# KiCad board toby-hackpad.kicad_pcb
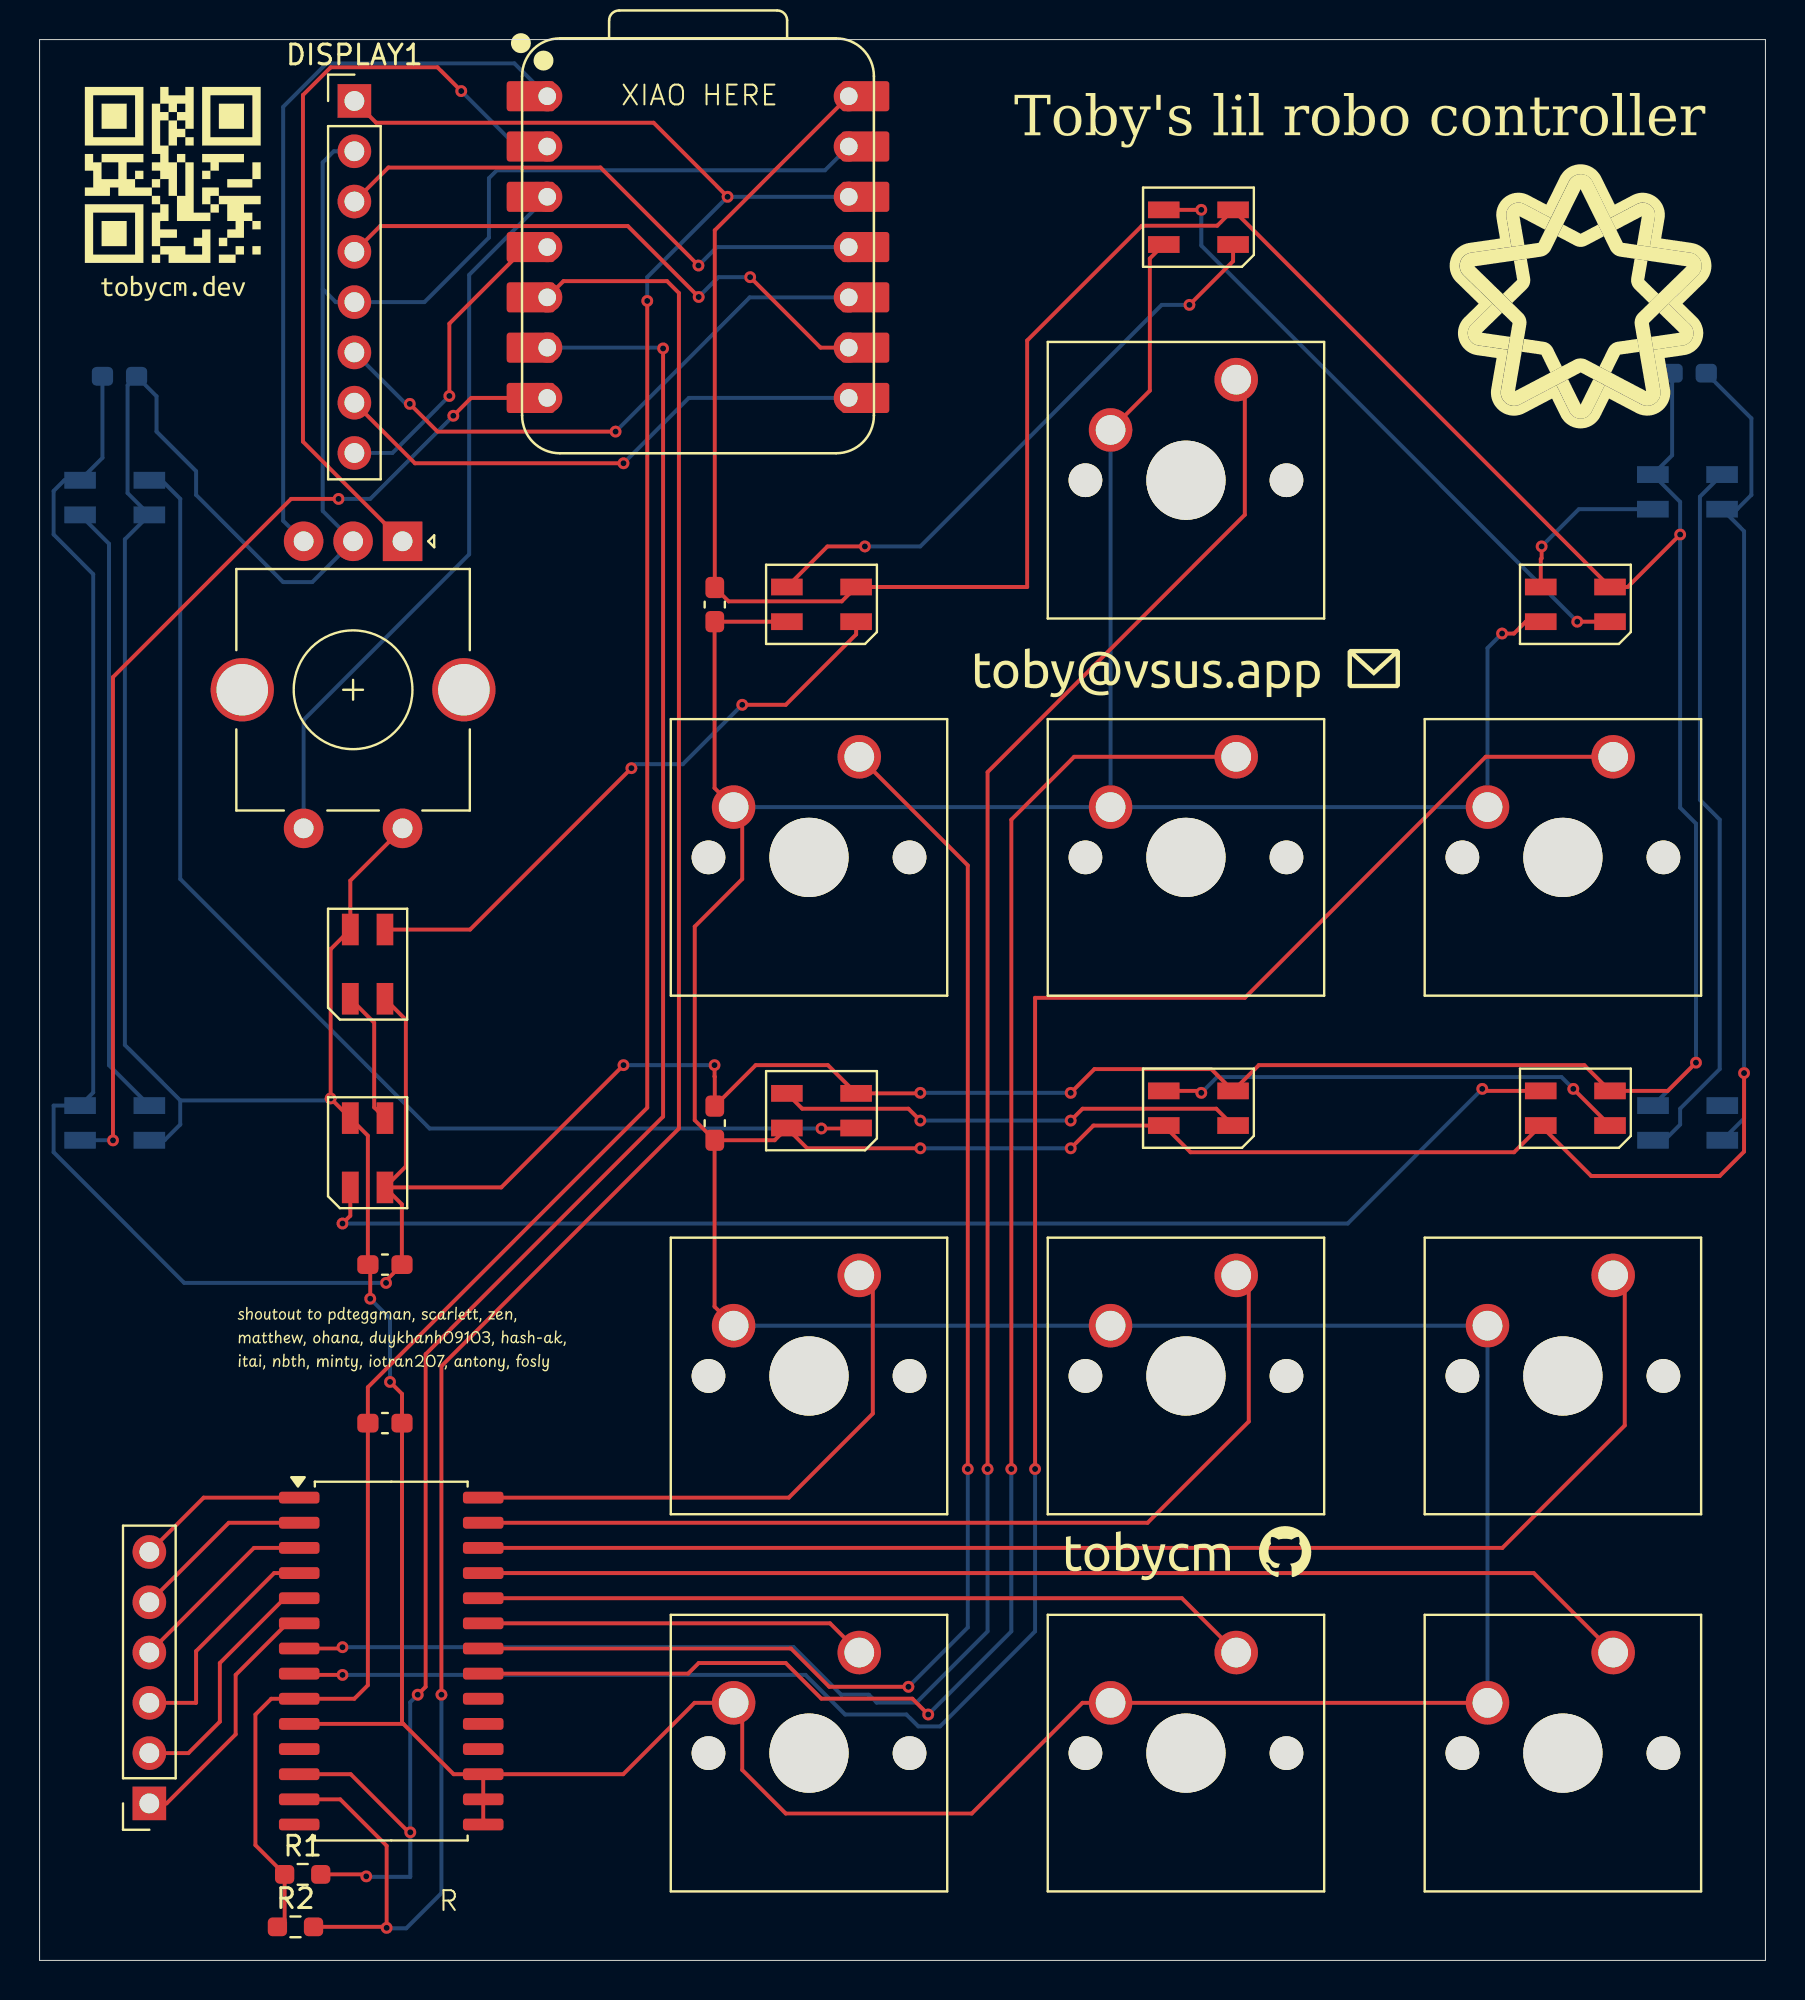
[diagram p0: board, top side]
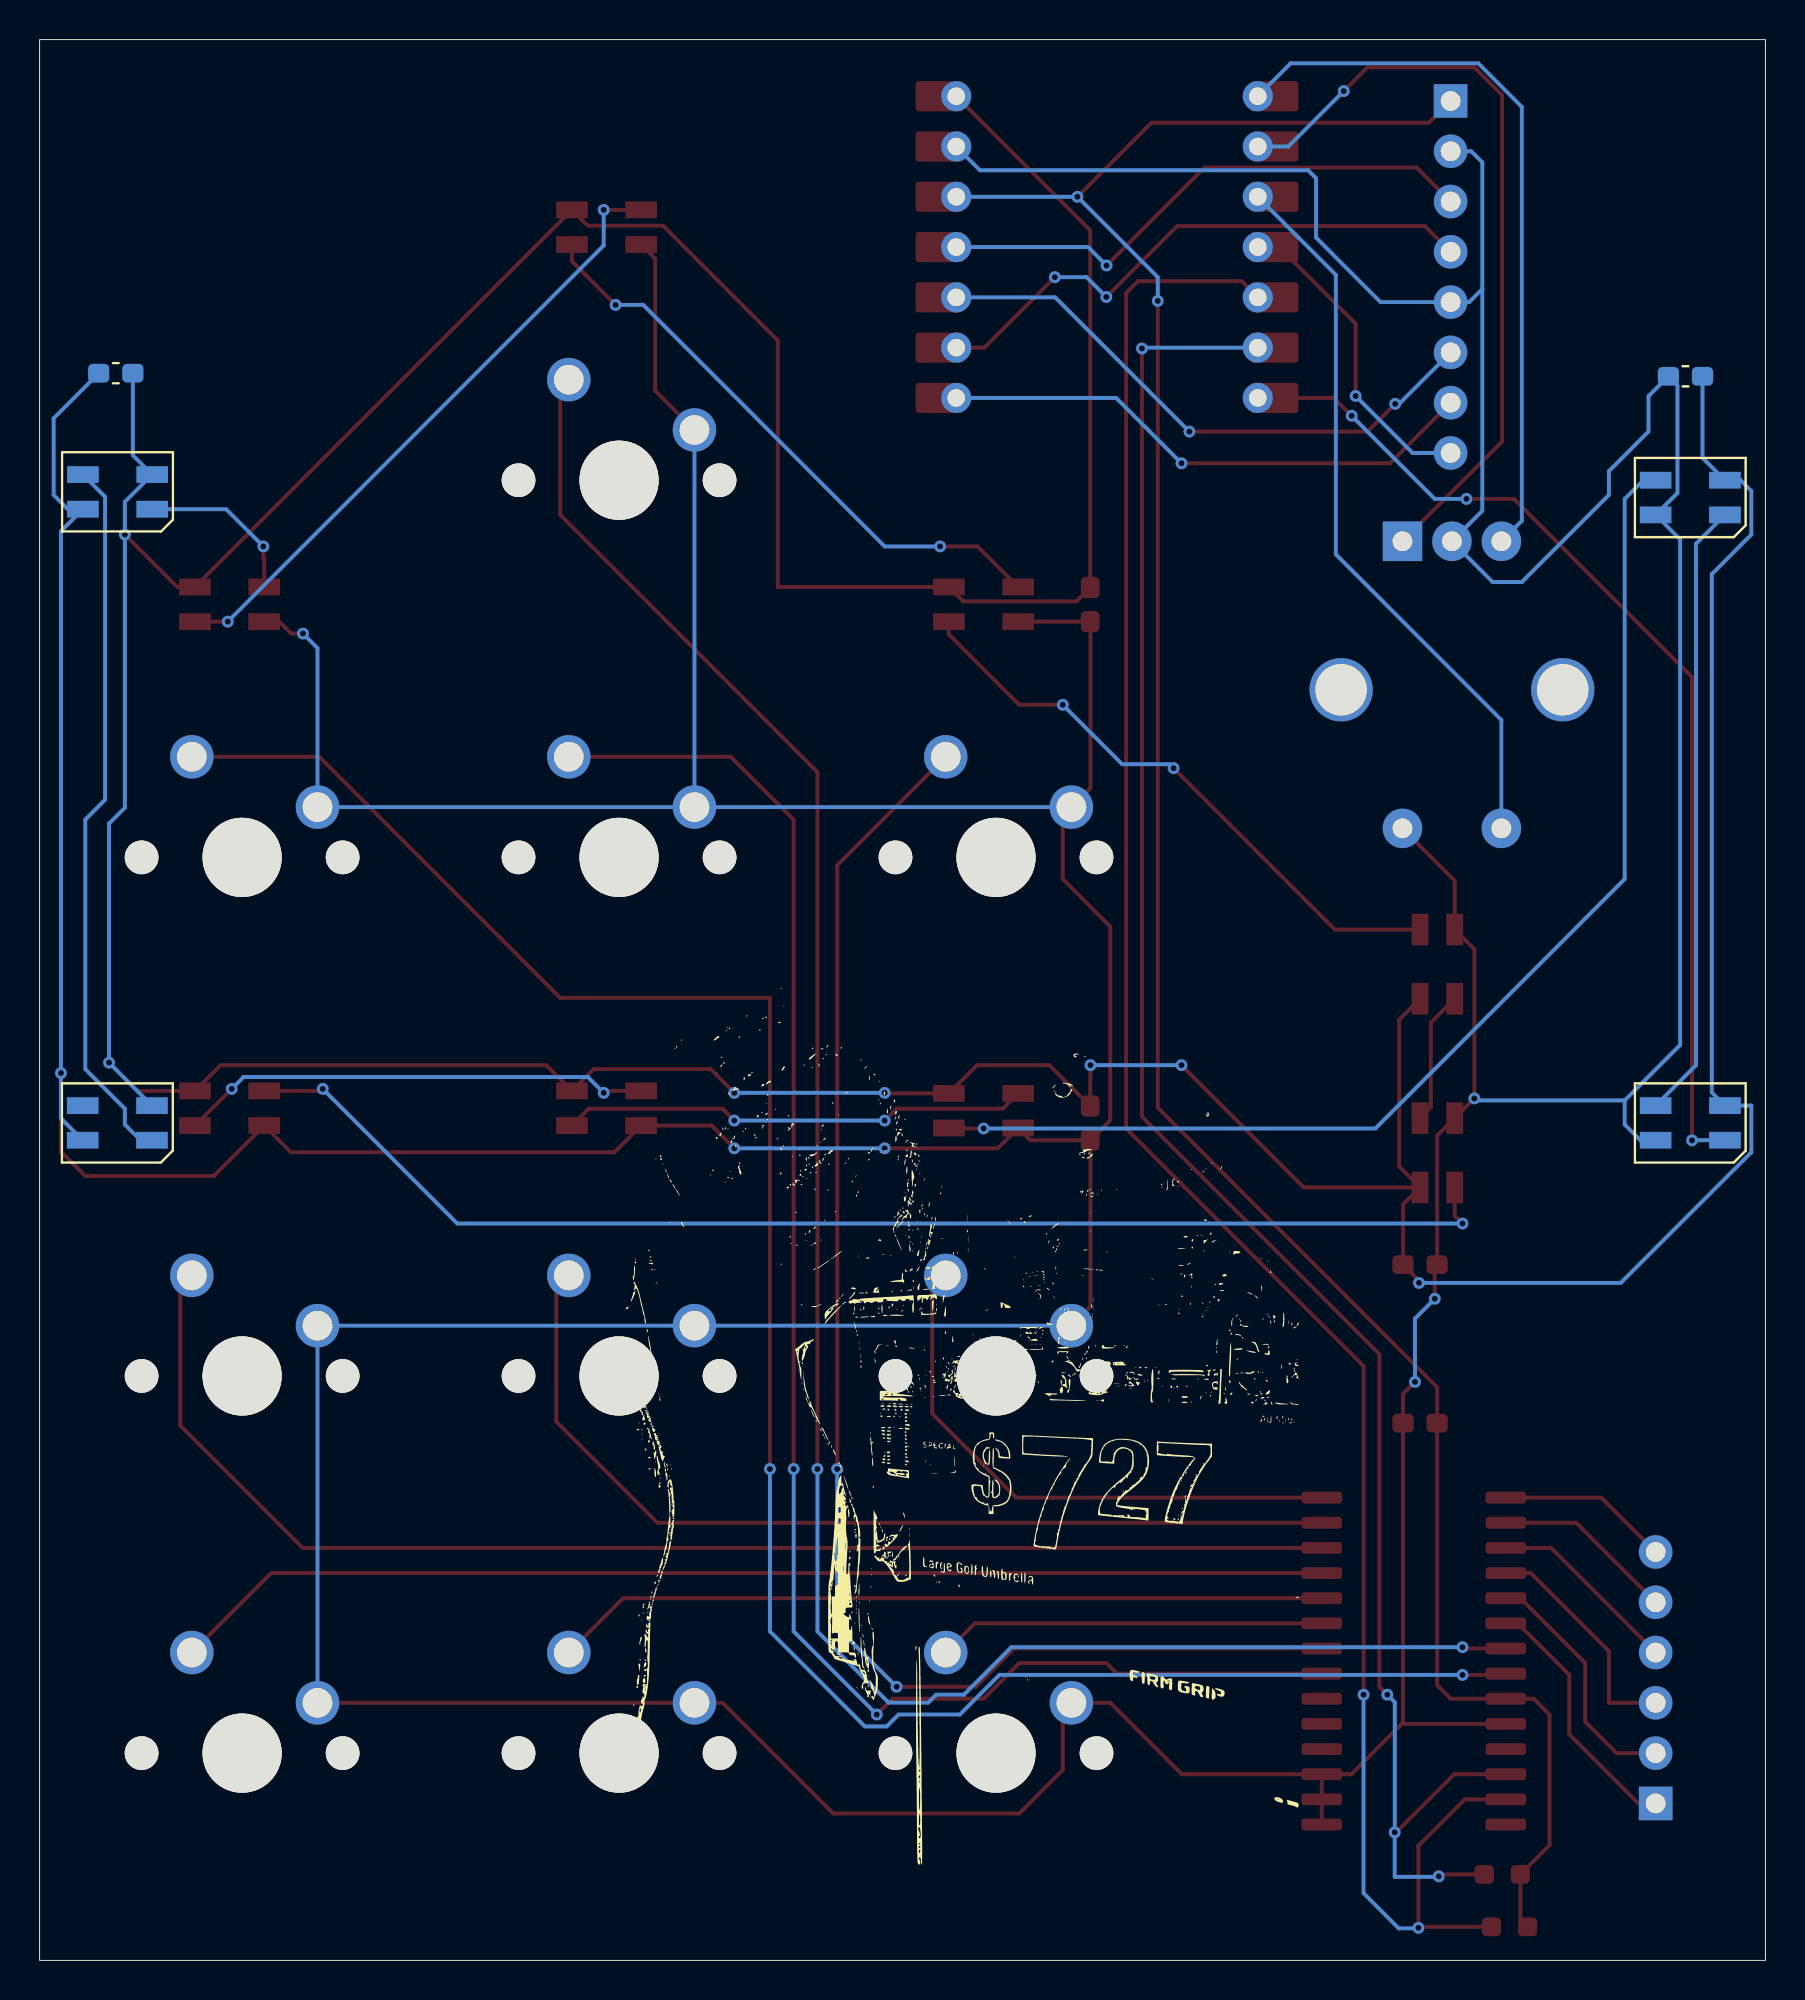
[diagram p1: board, bottom side, seen from below]

Outline 87.22 x 97.02 mm; copper layers: Top, Bottom. Coordinates in mm from the lower left corner of the outline.
Outline path: rectangle 0,97.02 87.22,0

## Placement (name value [footprint] x y rotation side)
C1  1uF  [C_0603_1608Metric_Pad1.08x0.95mm_HandSolder]  4.04 80.01 0 bottom
C2  100nF  [C_0603_1608Metric_Pad1.08x0.95mm_HandSolder]  17.45 27.14 180 top
C3  1uF  [C_0603_1608Metric_Pad1.08x0.95mm_HandSolder]  34.12 42.29 270 top
C4  1uF  [C_0603_1608Metric_Pad1.08x0.95mm_HandSolder]  17.45 35.14 180 top
C5  1uF  [C_0603_1608Metric_Pad1.08x0.95mm_HandSolder]  34.12 68.48 270 top
C6  1uF  [C_0603_1608Metric_Pad1.08x0.95mm_HandSolder]  83.37 80.17 0 bottom
D1  SK6812MINI  [LED_SK6812MINI_PLCC4_3.5x3.5mm_P1.75mm]  3.8 42.3 180 bottom
D2  SK6812MINI  [LED_SK6812MINI_PLCC4_3.5x3.5mm_P1.75mm]  3.8 73.89 180 bottom
D3  SK6812MINI  [LED_SK6812MINI_PLCC4_3.5x3.5mm_P1.75mm]  83.28 74.17 180 bottom
D4  SK6812MINI  [LED_SK6812MINI_PLCC4_3.5x3.5mm_P1.75mm]  83.29 42.3 180 bottom
D5  SK6812MINI  [LED_SK6812MINI_PLCC4_3.5x3.5mm_P1.75mm]  16.58 40.79 270 top
D6  SK6812MINI  [LED_SK6812MINI_PLCC4_3.5x3.5mm_P1.75mm]  16.58 50.32 270 top
D7  SK6812MINI  [LED_SK6812MINI_PLCC4_3.5x3.5mm_P1.75mm]  39.52 42.92 0 top
D8  SK6812MINI  [LED_SK6812MINI_PLCC4_3.5x3.5mm_P1.75mm]  58.57 43.04 0 top
D9  SK6812MINI  [LED_SK6812MINI_PLCC4_3.5x3.5mm_P1.75mm]  77.62 43.04 0 top
D10  SK6812MINI  [LED_SK6812MINI_PLCC4_3.5x3.5mm_P1.75mm]  39.52 68.49 0 top
D11  SK6812MINI  [LED_SK6812MINI_PLCC4_3.5x3.5mm_P1.75mm]  58.57 87.54 0 top
D12  SK6812MINI  [LED_SK6812MINI_PLCC4_3.5x3.5mm_P1.75mm]  77.62 68.49 0 top
DISPLAY1  ~  [PinHeader_1x08_P2.54mm_Vertical]  15.91 93.92 0 top
J1  Conn_01x06_Pin  [PinSocket_1x06_P2.54mm_Vertical]  5.55 7.93 180 top
R1  4.7K  [R_0603_1608Metric_Pad0.98x0.95mm_HandSolder]  13.3 4.34 0 top
R2  4.7K  [R_0603_1608Metric_Pad0.98x0.95mm_HandSolder]  12.93 1.69 0 top
SW1  SW_Push  [SW_Cherry_MX_1.00u_PCB]  41.42 34.6 0 top
SW2  SW_Push  [SW_Cherry_MX_1.00u_PCB]  79.53 34.6 0 top
SW3  SW_Push  [SW_Cherry_MX_1.00u_PCB]  60.47 34.6 0 top
SW4  SW_Push  [SW_Cherry_MX_1.00u_PCB]  79.53 15.55 0 top
SW5  SW_Push  [SW_Cherry_MX_1.00u_PCB]  60.47 15.55 0 top
SW6  SW_Push  [SW_Cherry_MX_1.00u_PCB]  41.42 15.55 0 top
SW7  SW_Push  [SW_Cherry_MX_1.00u_PCB]  41.42 60.79 0 top
SW8  SW_Push  [SW_Cherry_MX_1.00u_PCB]  60.47 60.79 0 top
SW9  SW_Push  [SW_Cherry_MX_1.00u_PCB]  60.47 79.84 0 top
SW10  SW_Push  [SW_Cherry_MX_1.00u_PCB]  79.53 60.79 0 top
SW11  RotaryEncoder_Switch  [RotaryEncoder_Alps_EC11E-Switch_Vertical_H20mm_CircularMountingHoles]  18.34 71.68 270 top
U1  -  [XIAO-RP2040-DIP]  33.28 86.54 0 top
U2  MCP23017_SO  [SOIC-28W_7.5x17.9mm_P1.27mm]  17.77 15.12 0 top

## Library data of the parts
C1-C6 = -: Description: Unpolarized capacitor; ki_fp_filters: C_*
D1-D12 = -: Datasheet: https://cdn-shop.adafruit.com/product-files/2686/SK6812MINI_REV.01-1-2.pdf; Description: RGB LED with integrated controller; ki_fp_filters: LED*SK6812MINI*PLCC*3.5x3.5mm*P1.75mm*
J1 = -: Description: Generic connector, single row, 01x06, script generated; ki_fp_filters: Connector*:*_1x??_*
R1 R2 = -: Description: Resistor; ki_fp_filters: R_*
SW1-SW10 = -: Description: Push button switch, generic, two pins
SW11 = -: Description: Rotary encoder, dual channel, incremental quadrate outputs, with switch; ki_fp_filters: RotaryEncoder*Switch*
U2 = -: Datasheet: https://ww1.microchip.com/downloads/aemDocuments/documents/APID/ProductDocuments/DataSheets/MCP23017-Data-Sheet-DS20001952.pdf; Description: 16-bit I/O expander, I2C, interrupts, w pull-ups, GPA/B7 output only (https://microchip.my.site.com/s/article/GPA7---GPB7-Cannot-Be-Used-as-Inputs-In-MCP23017),  SOIC-28; ki_fp_filters: SOIC*7.5x17.9mm*P1.27mm*

## Footprints (pads in the part's own frame, mm; a bottom-side part is the same pattern mirrored in y, then rotated)
C_0603_1608Metric_Pad1.08x0.95mm_HandSolder
  rrect 1.075x0.95 smd: 1(-0.863,0) 2(0.863,0)
LED_SK6812MINI_PLCC4_3.5x3.5mm_P1.75mm
  rect 1.6x0.85 smd: 1(-1.75,0.875) 2(-1.75,-0.875) 3(1.75,-0.875) 4(1.75,0.875)
PinHeader_1x08_P2.54mm_Vertical
  rect 1.7x1.7 hole 1: 1(0,0)
  oval 1.7x1.7 hole 1: 2(0,-2.54) 3(0,-5.08) 4(0,-7.62) 5(0,-10.16) 6(0,-12.7) 7(0,-15.24) 8(0,-17.78)
PinSocket_1x06_P2.54mm_Vertical
  rect 1.7x1.7 hole 1: 1(0,0)
  oval 1.7x1.7 hole 1: 2(0,-2.54) 3(0,-5.08) 4(0,-7.62) 5(0,-10.16) 6(0,-12.7)
R_0603_1608Metric_Pad0.98x0.95mm_HandSolder
  rrect 0.975x0.95 smd: 1(-0.912,0) 2(0.912,0)
RotaryEncoder_Alps_EC11E-Switch_Vertical_H20mm_CircularMountingHoles
  rect 2x2 hole 1: A(0,0)
  round 2 hole 1: B(0,-5) C(0,-2.5) S1(14.5,-5) S2(14.5,0)
  round 3.2 hole 2.6: MP(7.5,3.1) MP(7.5,-8.1)
SOIC-28W_7.5x17.9mm_P1.27mm
  rrect 2.05x0.6 smd: 1(-4.65,8.255) 2(-4.65,6.985) 3(-4.65,5.715) 4(-4.65,4.445) 5(-4.65,3.175) 6(-4.65,1.905) 7(-4.65,0.635) 8(-4.65,-0.635) 9(-4.65,-1.905) 10(-4.65,-3.175) 11(-4.65,-4.445) 12(-4.65,-5.715) 13(-4.65,-6.985) 14(-4.65,-8.255) 15(4.65,-8.255) 16(4.65,-6.985) 17(4.65,-5.715) 18(4.65,-4.445) 19(4.65,-3.175) 20(4.65,-1.905) 21(4.65,-0.635) 22(4.65,0.635) 23(4.65,1.905) 24(4.65,3.175) 25(4.65,4.445) 26(4.65,5.715) 27(4.65,6.985) 28(4.65,8.255)
SW_Cherry_MX_1.00u_PCB
  round 1.7 hole 1.7 unplated: (-7.62,-5.08) (2.54,-5.08)
  round 4 hole 4 unplated: (-2.54,-5.08)
  round 2.2 hole 1.5: 1(0,0) 2(-6.35,-2.54)
XIAO-RP2040-DIP
  rrect 2.432x1.524 smd: 1(-8.455,7.62) 2(-8.455,5.08) 3(-8.455,2.54) 4(-8.455,0) 5(-8.455,-2.54) 6(-8.455,-5.08) 7(-8.455,-7.62) 8(8.455,-7.62) 9(8.455,-5.08) 10(8.455,-2.54) 11(8.455,0) 12(8.455,2.54) 13(8.455,5.08) 14(8.455,7.62)
  round 1.524 hole 0.889: 1(-7.62,7.62) 2(-7.62,5.08) 3(-7.62,2.54) 4(-7.62,0) 5(-7.62,-2.54) 6(-7.62,-5.08) 7(-7.62,-7.62) 8(7.62,-7.62) 9(7.62,-5.08) 10(7.62,-2.54) 11(7.62,0) 12(7.62,2.54) 13(7.62,5.08) 14(7.62,7.62)

## Nets
+3.3V: C2.2 DISPLAY1.1 R1.1 R2.1 U1.12 U2.9
+5V: C1.1 C3.1 C4.1 C5.1 C6.1 D1.4 D2.4 D3.4 D4.4 D5.4 D6.4 D7.4 D8.4 D9.4 D10.4 D11.4 D12.4 U1.14
GND: C1.2 C2.1 C3.2 C4.2 C5.2 C6.2 D1.2 D2.2 D3.2 D4.2 D5.2 D6.2 D7.2 D8.2 D9.2 D10.2 D11.2 D12.2 DISPLAY1.2 DISPLAY1.5 SW1.2 SW2.2 SW3.2 SW4.2 SW5.2 SW6.2 SW7.2 SW8.2 SW9.2 SW10.2 SW11.C SW11.S2 U1.13 U2.10 U2.15 U2.16 U2.17
Net-(D1-DIN): D1.3 U1.7
Net-(D1-DOUT): D1.1 D2.3
Net-(D2-DOUT): D2.1 D7.3
Net-(D3-DOUT): D3.1 D4.3
Net-(D5-DIN): D5.3 D9.1
Net-(D5-DOUT): D5.1 D6.3
Net-(D7-DOUT): D7.1 D8.3
Net-(D8-DOUT): D8.1 D9.3
Net-(D10-DIN): D6.1 D10.3
Net-(D10-DOUT): D10.1 D11.3
Net-(D11-DOUT): D11.1 D12.3
Net-(D12-DOUT): D3.3 D12.1
Net-(DISPLAY1-BL): DISPLAY1.8 U1.4
Net-(DISPLAY1-CLK): DISPLAY1.4 U1.9
Net-(DISPLAY1-DC): DISPLAY1.6 U1.10
Net-(DISPLAY1-DIN): DISPLAY1.3 U1.11
Net-(DISPLAY1-RST): DISPLAY1.7 U1.8
Net-(J1-Pin_1): J1.1 U2.6
Net-(J1-Pin_2): J1.2 U2.5
Net-(J1-Pin_3): J1.3 U2.4
Net-(J1-Pin_4): J1.4 U2.3
Net-(J1-Pin_5): J1.5 U2.2
Net-(J1-Pin_6): J1.6 U2.1
Net-(U1-GPIO6/SDA): R2.2 U1.5 U2.13
Net-(U1-GPIO7/SCL): R1.2 U1.6 U2.12
Net-(U1-GPIO26/ADC0/A0): SW11.B U1.1
Net-(U1-GPIO27/ADC1/A1): SW11.A U1.2
Net-(U1-GPIO28/ADC2/A2): SW11.S1 U1.3
Net-(U2-GPA0): SW8.1 U2.21
Net-(U2-GPA1): SW7.1 U2.22
Net-(U2-GPA2): SW6.1 U2.23
Net-(U2-GPA3): SW5.1 U2.24
Net-(U2-GPA4): SW4.1 U2.25
Net-(U2-GPA5): SW2.1 U2.26
Net-(U2-GPA6): SW3.1 U2.27
Net-(U2-GPA7): SW1.1 U2.28
Net-(U2-GPB6): SW9.1 U2.7
Net-(U2-GPB7): SW10.1 U2.8

Pads without a net: D4 1; SW11 MP; U2 11 14 18 19 20

## Via types
v1: diameter 0.6, hole 0.3, Top to Bottom, 55 vias

## Routing (per net, layer and track width the routed paths; a pad name or vN(x,y) marks a point on that pad's centre or on a via; arc(x,y) is an arc through that point)
+3.3V: length 127.5
  Top w0.2: v1(30.71,83.82) 30.71,43.07 16.59,28.95 C2.2 16.59,13.9 15.91,13.22 U2.9 11.7,13.22 10.91,12.42 10.91,5.82 R1.1 12.38,2.06 R2.1 ; DISPLAY1.1 17.01,92.82 31.03,92.82 v1(34.77,89.08)
  Bottom w0.2: v1(30.71,83.82) 30.71,85.02 v1(34.77,89.08) U1.12
+5V: length 293.9
  Top w0.2: D5.4 18.51,40.1 18.51,47.51 D6.4 ; D5.4 18.31,38.19 18.31,35.15 C4.1 17.51,34.34 v1(17.51,34.22) ; D5.4 23.34,39.04 v1(29.51,45.22) ; v1(82.91,72.02) 80.26,69.37 D12.4 D11.4 59.52,87.62 55.71,87.62 49.91,81.82 49.91,69.37 D10.4 40.54,68.64 34.82,68.64 C5.1 34.12,87.39 U1.14 ; v1(44.51,43.82) 44.48,43.79 D7.4 39.84,45.22 36.19,45.22 C3.1 34.12,44.63 34.11,44.64 v1(34.11,45.22) ; v1(83.71,45.35) 82.28,43.92 D9.4 78.06,45.22 61.62,45.22 D8.4 59.22,45.02 53.31,45.02 v1(52.11,43.82)
  Bottom w0.2: C1.1 3.18,75.89 D2.4 1.25,74.76 0.71,74.22 0.71,72.02 2.71,70.02 2.71,43.84 D1.4 0.71,43.18 0.71,40.82 7.31,34.22 v1(17.51,34.22) ; C6.1 82.5,76.02 D3.4 82.91,73.67 v1(82.91,72.02) 82.91,58.22 83.71,57.42 v1(83.71,45.35) D4.4 ; v1(29.51,45.22) v1(34.11,45.22) ; v1(44.51,43.82) v1(52.11,43.82)
GND: length 519.9
  Top w0.2: U2.17 20.92,9.41 18.38,11.94 ; U2.17 29.5,9.41 33.1,13.01 SW6.2 35.51,12.57 35.51,9.62 37.71,7.42 47.11,7.42 52.7,13.01 SW5.2 73.17,13.01 ; U2.17 U2.16 22.42,6.86 ; D11.2 56.11,85.96 56.11,79.29 SW9.2 ; C3.2 37.15,41.43 D7.2 38.79,41.02 v1(44.51,41.02) ; C3.2 33.11,42.44 33.11,52.22 35.51,54.62 35.51,57.82 SW7.2 34.11,59.22 34.11,67.61 C5.2 D10.2 ; C3.2 34.11,41.41 34.11,33.02 SW1.2 ; v1(52.11,41.02) 53.26,42.17 D8.2 58.16,40.82 74.52,40.82 D9.2 78.41,39.62 84.91,39.62 86.14,40.85 v1(86.14,44.82) ; 18.38,11.94 18.32,12.01 C2.1 18.32,28.61 v1(17.71,29.22) ; 18.38,11.94 U2.10 ; SW11.S2 15.7,54.54 D6.2 14.71,51.08 v1(14.71,43.54) D5.2 16.59,41.66 C4.2 16.71,35.03 v1(16.71,33.42) ; D12.2 75.11,67.62 74.51,67.02 v1(73.91,67.02)
  Bottom w0.2: 14.31,84.42 14.31,90.82 14.87,91.38 DISPLAY1.2 ; 14.31,84.42 14.97,83.76 DISPLAY1.5 19.45,83.76 22.71,87.02 22.71,90.02 23.11,90.42 39.69,90.42 U1.13 ; 14.31,84.42 14.31,73.21 SW11.C 13.78,69.62 12.31,69.62 7.91,74.02 7.91,75.22 5.91,77.22 5.91,79.01 C1.2 4.45,79.56 4.45,74.11 D2.2 4.31,71.78 4.31,46.24 7.11,43.44 ; 7.11,43.44 14.61,43.44 v1(14.71,43.54) ; 7.11,43.44 7.11,42.22 6.32,41.43 D1.2 ; D4.2 86.14,42.53 v1(86.14,44.82) 86.14,72.19 D3.2 85.79,73.3 86.51,74.02 86.51,77.89 C6.2 ; SW8.2 73.17,58.25 73.17,66.28 v1(73.91,67.02) ; SW8.2 SW7.2 ; SW8.2 SW9.2 ; v1(17.71,29.22) 17.71,32.42 v1(16.71,33.42) ; v1(44.51,41.02) v1(52.11,41.02) ; 73.17,13.01 73.17,32.06 SW3.2 SW1.2
Net-(D1-DIN): length 52.9
  Top w0.2: v1(3.71,41.42) 3.71,64.82 12.71,73.82 v1(15.11,73.82) ; U1.7 21.81,78.92 v1(20.91,78.02)
  Bottom w0.2: v1(15.11,73.82) 16.71,73.82 v1(20.91,78.02) ; v1(3.71,41.42) 3.7,41.43 D1.3
Net-(D1-DOUT): length 31.3
  Bottom w0.2: D2.3 3.51,71.55 3.51,45.21 D1.1
Net-(D2-DOUT): length 60.5
  Top w0.2: v1(39.51,42.02) 41.24,42.02 D7.3
  Bottom w0.2: D2.1 6.17,74.76 7.11,73.82 7.11,54.62 19.71,42.02 v1(39.51,42.02)
Net-(D3-DOUT): length 36.2
  Bottom w0.2: D4.3 82.12,41.43 82.91,42.22 82.91,43.02 84.91,45.02 84.91,57.62 83.91,58.62 83.91,73.93 D3.1
Net-(D5-DIN): length 65.4
  Top w0.2: D9.1 73.01,43.92 v1(72.91,44.02) ; v1(15.31,37.22) 15.7,37.61 D5.3
  Bottom w0.2: v1(72.91,44.02) 66.11,37.22 v1(15.31,37.22)
Net-(D5-DOUT): length 6.7
  Top w0.2: D6.3 16.91,47.36 16.91,43.09 D5.1
Net-(D7-DOUT): length 23.7
  Top w0.2: D8.3 59.47,43.02 52.71,43.02 v1(52.11,42.42) ; D7.1 38.54,43.02 43.91,43.02 v1(44.51,42.42)
  Bottom w0.2: v1(52.11,42.42) v1(44.51,42.42)
Net-(D8-DOUT): length 23.9
  Top w0.2: D9.3 79.36,42.17 v1(77.51,44.02) ; v1(58.71,43.82) 58.61,43.92 D8.1
  Bottom w0.2: v1(77.51,44.02) 76.91,44.62 59.51,44.62 v1(58.71,43.82)
Net-(D10-DIN): length 30.6
  Top w0.2: v1(35.51,63.42) 37.71,63.42 41.27,66.98 D10.3 ; v1(29.91,60.22) 21.76,52.07 D6.1
  Bottom w0.2: v1(29.91,60.22) 30.11,60.42 32.51,60.42 v1(35.51,63.42)
Net-(D10-DOUT): length 30.2
  Top w0.2: v1(58.11,83.62) 60.32,85.83 D11.3 ; D10.1 39.82,71.42 v1(41.71,71.42)
  Bottom w0.2: v1(41.71,71.42) 44.51,71.42 56.71,83.62 v1(58.11,83.62)
Net-(D11-DOUT): length 32.2
  Top w0.2: D11.1 v1(58.71,88.42) ; v1(77.71,67.62) D12.3
  Bottom w0.2: v1(77.71,67.62) 58.71,86.62 v1(58.71,88.42)
Net-(D12-DOUT): length 8.5
  Top w0.2: v1(75.91,71.42) 75.91,70.82 75.87,70.78 D12.1
  Bottom w0.2: D3.3 77.79,73.3 v1(75.91,71.42)
Net-(DISPLAY1-BL): length 16.2
  Top w0.2: v1(20.71,79.02) 20.71,82.67 24.58,86.54 U1.4
  Bottom w0.2: v1(20.71,79.02) 17.83,76.14 DISPLAY1.8
Net-(DISPLAY1-CLK): length 28.9
  Top w0.2: U1.9 39.47,81.46 v1(35.91,85.02) ; DISPLAY1.4 17.21,87.6 29.73,87.6 v1(33.31,84.02)
  Bottom w0.2: v1(35.91,85.02) 34.31,85.02 v1(33.31,84.02)
Net-(DISPLAY1-DC): length 29.5
  Top w0.2: v1(29.11,77.22) 20.11,77.22 v1(18.71,78.62)
  Bottom w0.2: v1(18.71,78.62) 18.51,78.62 DISPLAY1.6 ; v1(29.11,77.22) 35.89,84 U1.10
Net-(DISPLAY1-DIN): length 28.1
  Top w0.2: v1(33.3,85.61) 28.35,90.56 17.63,90.56 DISPLAY1.3
  Bottom w0.2: U1.11 34.23,86.54 v1(33.3,85.61)
Net-(DISPLAY1-RST): length 27.6
  Top w0.2: v1(29.51,75.62) 18.97,75.62 DISPLAY1.7
  Bottom w0.2: U1.8 32.81,78.92 v1(29.51,75.62)
Net-(J1-Pin_1): length 13.1
  Top w0.2: J1.1 6.42,7.93 9.91,11.42 9.91,14.42 12.51,17.02 13.12,17.02
Net-(J1-Pin_2): length 12.5
  Top w0.2: U2.5 12.38,18.29 9.11,15.02 9.11,12.06 7.52,10.47 J1.2
Net-(J1-Pin_3): length 11.8
  Top w0.2: U2.4 11.85,19.56 7.91,15.62 7.91,13.02 7.9,13.01 J1.3
Net-(J1-Pin_4): length 9.8
  Top w0.2: U2.3 10.83,20.83 J1.4
Net-(J1-Pin_5): length 9.2
  Top w0.2: J1.5 9.56,22.1 13.12,22.1
Net-(J1-Pin_6): length 8.7
  Top w0.2: U2.1 8.29,23.38 J1.6
Net-(U1-GPIO6/SDA): length 109.8
  Top w0.2: 17.54,1.62 v1(17.54,1.64) ; v1(17.54,1.64) 17.49,1.69 R2.2 ; v1(17.54,1.64) 17.54,5.79 15.19,8.13 U2.13 ; v1(20.31,13.42) 20.31,30.02 32.31,42.02 32.31,84.22 31.71,84.82 26.47,84.82 U1.5
  Bottom w0.2: 17.54,1.62 18.53,1.62 20.31,3.4 v1(20.31,13.42)
Net-(U1-GPIO7/SCL): length 99.8
  Top w0.2: 18.73,6.4 15.72,9.41 U2.12 ; v1(19.11,13.42) 19.51,13.82 19.51,30.62 31.51,42.62 v1(31.51,81.42) ; R1.2 16.41,4.34 v1(16.51,4.25)
  Bottom w0.2: v1(18.73,6.47) 18.73,4.22 18.73,4.22 16.53,4.22 v1(16.51,4.25) ; v1(18.73,6.47) 18.73,6.47 ; v1(18.73,6.47) 18.73,6.47 18.73,13.04 v1(19.11,13.42) ; v1(31.51,81.42) 31.47,81.46 U1.6
Net-(U1-GPIO26/ADC0/A0): length 37.3
  Bottom w0.2: SW11.B 12.31,72.71 12.31,93.62 14.51,95.82 24,95.82 U1.1
Net-(U1-GPIO27/ADC1/A1): length 39.2
  Top w0.2: v1(21.31,94.42) 20.11,95.62 14.71,95.62 13.31,94.22 13.31,76.71 SW11.A
  Bottom w0.2: U1.2 24.11,91.62 v1(21.31,94.42)
Net-(U1-GPIO28/ADC2/A2): length 37
  Bottom w0.2: SW11.S1 13.34,62.65 21.71,71.02 21.71,85.13 U1.3
Net-(U2-GPA0): length 83.4
  Top w0.2: v1(49.11,24.82) 49.11,57.62 52.28,60.79 SW8.1 ; 22.42,14.48 32.78,14.48 33.31,15.02 37.71,15.02 39.51,13.22 44.11,13.22 v1(44.91,12.42)
  Bottom w0.2: v1(49.11,24.82) 49.11,16.62 v1(44.91,12.42)
Net-(U2-GPA1): length 72.8
  Top w0.2: SW7.1 46.91,55.31 v1(46.91,24.82) ; v1(43.91,13.82) 39.91,13.82 37.97,15.75 U2.22
  Bottom w0.2: v1(43.91,13.82) 46.91,16.82 v1(46.91,24.82)
Net-(U2-GPA2): length 19.6
  Top w0.2: 22.42,17.02 39.95,17.02 SW6.1
Net-(U2-GPA3): length 39.2
  Top w0.2: SW5.1 57.73,18.29 U2.24
Net-(U2-GPA4): length 58.8
  Top w0.2: U2.25 75.51,19.56 SW4.1
Net-(U2-GPA5): length 68.1
  Top w0.2: U2.26 73.92,20.83 80.11,27.02 80.11,34.01 SW2.1
Net-(U2-GPA6): length 48.5
  Top w0.2: SW3.1 61.11,33.96 61.11,27.22 56,22.1 22.42,22.1
Net-(U2-GPA7): length 28.7
  Top w0.2: U2.28 37.87,23.38 42.11,27.62 42.11,33.91 SW1.1
Net-(U2-GPB6): length 106.3
  Top w0.2: SW9.1 60.91,79.41 60.91,73.02 47.91,60.02 v1(47.91,24.82) ; U2.7 15.25,15.75 v1(15.31,15.82)
  Bottom w0.2: v1(15.31,15.82) 38.11,15.82 40.51,13.42 41.91,13.42 42.31,13.02 44.31,13.02 47.91,16.62 v1(47.91,24.82)
Net-(U2-GPB7): length 106.5
  Top w0.2: SW10.1 73.08,60.79 60.91,48.62 50.31,48.62 v1(50.31,24.82) ; 13.12,14.48 13.19,14.42 v1(15.31,14.42)
  Bottom w0.2: v1(15.31,14.42) 38.71,14.42 40.71,12.42 43.81,12.42 44.41,11.82 45.51,11.82 50.31,16.62 v1(50.31,24.82)

## Text on the board
F.Silkscreen: R | XIAO HERE | Toby's lil robo controller
